# Altium PCB Graviton-EC2-Simplified.PcbDoc (part 2 of 9) (continued)
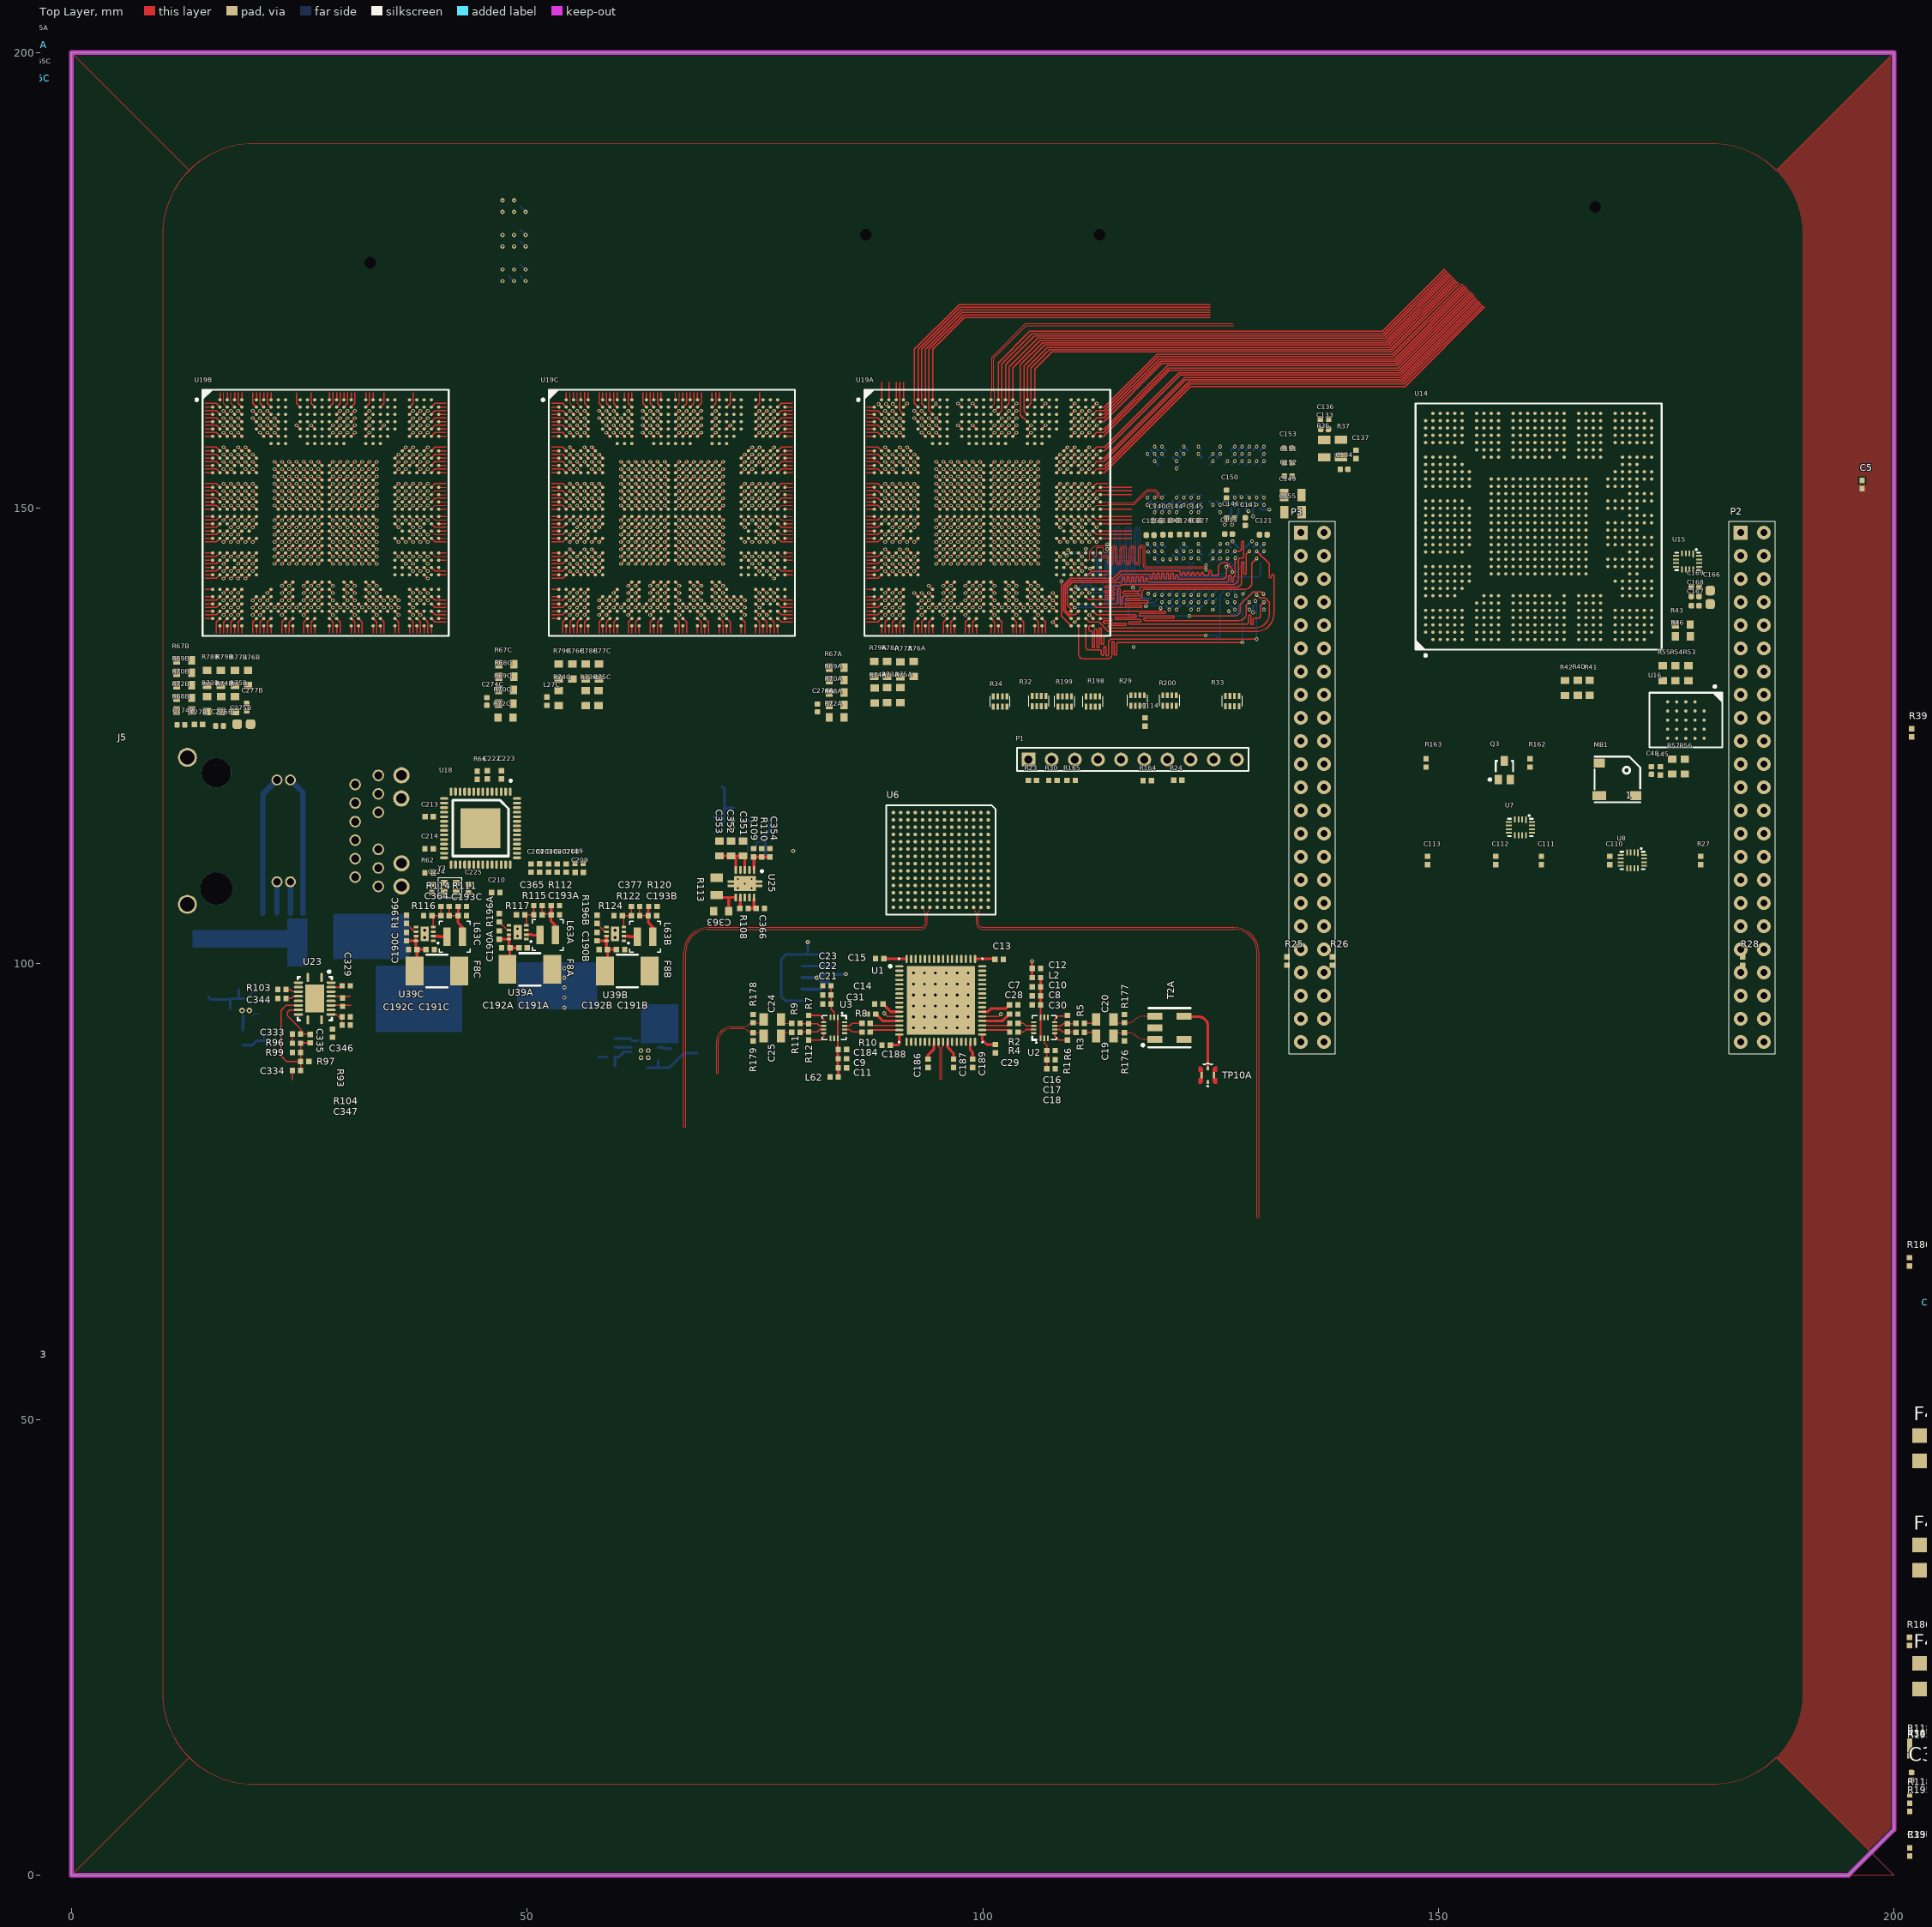
[diagram p0: Top Layer view]
## Components (designator, comment, footprint, x,y, rotation, side; value= is the part's Value field where it differs from the comment) (continued)
C261A "GRM155R71A104KA01J" CAPC1005X56N#1 93.675,146.964 r0 bottom (schematic designator C261)
C261B "GRM155R71A104KA01J" CAPC1005X56N#1 21.082,147.142 r0 bottom (schematic designator C261)
C261C "GRM155R71A104KA01J" CAPC1005X56N#1 58.979,146.228 r0 bottom (schematic designator C261)
C262A "GRM155R71A104KA01J" CAPC1005X56N#1 93.675,147.98 r0 bottom (schematic designator C262)
C262B "GRM155R71A104KA01J" CAPC1005X56N#1 21.082,148.107 r0 bottom (schematic designator C262)
C262C "GRM155R71A104KA01J" CAPC1005X56N#1 58.979,147.218 r0 bottom (schematic designator C262)
C263A "GRM155R71A104KA01J" CAPC1005X56N#1 93.675,148.996 r0 bottom (schematic designator C263)
C263B "GRM155R71A104KA01J" CAPC1005X56N#1 21.082,149.073 r0 bottom (schematic designator C263)
C263C "GRM155R71A104KA01J" CAPC1005X56N#1 58.979,148.209 r0 bottom (schematic designator C263)
C264A "GRM188R71A225KE15D" CAPC1608X90N -5.662,200.295 r90 top (schematic designator C264)
C264B "GRM188R71A225KE15D" CAPC1608X90N 13.183,139.09 r90 bottom (schematic designator C264)
C264C "GRM188R71A225KE15D" CAPC1608X90N -5.575,196.552 r90 top (schematic designator C264)
C265A "GRM155R71A104KA01J" CAPC1005X56N#1 -4.42,200.838 r90 top (schematic designator C265)
C265B "GRM155R71A104KA01J" CAPC1005X56N#1 11.963,139.725 r90 bottom (schematic designator C265)
C265C "GRM155R71A104KA01J" CAPC1005X56N#1 -4.115,197.18 r90 top (schematic designator C265)
C266A "GRM155R71A104KA01J" CAPC1005X56N#1 83.795,153.162 r0 bottom (schematic designator C266)
C266B "GRM155R71A104KA01J" CAPC1005X56N#1 20.98,166.726 r270 bottom (schematic designator C266)
C266C "GRM155R71A104KA01J" CAPC1005X56N#1 50.851,148.387 r180 bottom (schematic designator C266)
C267A "GRM188R71A225KE15D" CAPC1608X90N 85.09,154.534 r0 bottom (schematic designator C267)
C267B "GRM188R71A225KE15D" CAPC1608X90N 19.66,165.405 r270 bottom (schematic designator C267)
C267C "GRM188R71A225KE15D" CAPC1608X90N 56.261,149.454 r0 bottom (schematic designator C267)
C268A "GRM155R71A104KA01J" CAPC1005X56N#1 93.701,150.343 r0 bottom (schematic designator C268)
C268B "GRM155R71A104KA01J" CAPC1005X56N#1 21.082,153.492 r0 bottom (schematic designator C268)
C268C "GRM155R71A104KA01J" CAPC1005X56N#1 58.979,151.206 r0 bottom (schematic designator C268)
C269A "GRM155R71A104KA01J" CAPC1005X56N#1 93.701,151.359 r0 bottom (schematic designator C269)
C269B "GRM155R71A104KA01J" CAPC1005X56N#1 21.082,150.317 r0 bottom (schematic designator C269)
C269C "GRM155R71A104KA01J" CAPC1005X56N#1 58.979,152.197 r0 bottom (schematic designator C269)
C270A "GRM155R71A104KA01J" CAPC1005X56N#1 93.701,152.349 r0 bottom (schematic designator C270)
C270B "GRM155R71A104KA01J" CAPC1005X56N#1 21.082,151.232 r0 bottom (schematic designator C270)
C270C "GRM155R71A104KA01J" CAPC1005X56N#1 59.004,153.67 r0 bottom (schematic designator C270)
C271A "GRM155R71A104KA01J" CAPC1005X56N#1 93.701,153.365 r0 bottom (schematic designator C271)
C271B "GRM155R71A104KA01J" CAPC1005X56N#1 21.082,152.197 r0 bottom (schematic designator C271)
C271C "GRM155R71A104KA01J" CAPC1005X56N#1 58.979,154.635 r0 bottom (schematic designator C271)
C272A "GRM188R71A225KE15D" CAPC1608X90N 107.29,157.353 r270 bottom (schematic designator C272)
C272B "GRM188R71A225KE15D" CAPC1608X90N 34.569,157.429 r270 bottom (schematic designator C272)
C272C "GRM188R71A225KE15D" CAPC1608X90N 73.431,157.734 r270 bottom (schematic designator C272)
C273A "GRM155R71A104KA01J" CAPC1005X56N#1 108.483,156.921 r270 bottom (schematic designator C273)
C273B "GRM155R71A104KA01J" CAPC1005X56N#1 35.794,156.948 r270 bottom (schematic designator C273)
C273C "GRM155R71A104KA01J" CAPC1005X56N#1 74.651,157.861 r270 bottom (schematic designator C273)
C274A "GRM155R71A104KA01J" CAPC1005X56N#1 81.864,128.092 r270 top (schematic designator C274)
C274B "GRM155R71A104KA01J" CAPC1005X56N#1 12.014,126.238 r0 top (schematic designator C274)
C274C "GRM155R71A104KA01J" CAPC1005X56N#1 45.593,128.803 r270 top (schematic designator C274)
C275A "GRM188R71A225KE15D" CAPC1608X90N 93.904,142.099 r90 bottom (schematic designator C275)
C275B "GRM188R71A225KE15D" CAPC1608X90N 18.923,126.314 r180 top (schematic designator C275)
C275C "GRM188R71A225KE15D" CAPC1608X90N 62.332,142.291 r90 bottom (schematic designator C275)
C276A "GRM155R71A104KA01J" CAPC1005X56N#1 93.929,144.475 r270 bottom (schematic designator C276)
C276B "GRM155R71A104KA01J" CAPC1005X56N#1 16.256,126.111 r0 top (schematic designator C276)
C276C "GRM155R71A104KA01J" CAPC1005X56N#1 61.062,142.875 r90 bottom (schematic designator C276)
C277A "GRM155R71A104KA01J" CAPC1005X56N#1 96.037,142.506 r90 bottom (schematic designator C277)
C277B "GRM155R71A104KA01J" CAPC1005X56N#1 19.228,128.168 r270 top (schematic designator C277)
C277C "GRM155R71A104KA01J" CAPC1005X56N#1 60.071,142.875 r90 bottom (schematic designator C277)
C278A "CAP 0402" 0402 95.733,132.156 r270 bottom (schematic designator C278)
C278B "CAP 0402" 0402 82.042,124.409 r90 bottom (schematic designator C278)
C278C "CAP 0402" 0402 86.589,124.409 r90 bottom (schematic designator C278)
C279A "CAP 0402" 0402 97.714,132.156 r90 bottom (schematic designator C279)
C279B "CAP 0402" 0402 26.162,145.974 r270 bottom (schematic designator C279)
C279C "CAP 0402" 0402 61.493,148.869 r0 bottom (schematic designator C279)
C280A "GRM155R71A104KA01J" CAPC1005X56N#1 105.512,152.629 r0 bottom (schematic designator C280)
C280B "GRM155R71A104KA01J" CAPC1005X56N#1 22.809,146.253 r180 bottom (schematic designator C280)
C280C "GRM155R71A104KA01J" CAPC1005X56N#1 69.113,154.61 r90 bottom (schematic designator C280)
C281A "GRM155R71A104KA01J" CAPC1005X56N#1 103.708,154.584 r90 bottom (schematic designator C281)
C281B "GRM155R71A104KA01J" CAPC1005X56N#1 31.09,154.508 r90 bottom (schematic designator C281)
C281C "GRM155R71A104KA01J" CAPC1005X56N#1 71.095,152.679 r0 bottom (schematic designator C281)
C282A "GRM155R71A104KA01J" CAPC1005X56N#1 95.428,146.279 r180 bottom (schematic designator C282)
C282B "GRM155R71A104KA01J" CAPC1005X56N#1 22.784,152.705 r180 bottom (schematic designator C282)
C282C "GRM155R71A104KA01J" CAPC1005X56N#1 60.731,146.279 r180 bottom (schematic designator C282)
C283A "GRM155R71A104KA01J" CAPC1005X56N#1 95.479,152.679 r180 bottom (schematic designator C283)
C283B "GRM155R71A104KA01J" CAPC1005X56N#1 32.969,152.705 r0 bottom (schematic designator C283)
C283C "GRM155R71A104KA01J" CAPC1005X56N#1 60.706,152.705 r180 bottom (schematic designator C283)
C284A "GRM188R71A225KE15D" CAPC1608X90N 99.822,149.581 r0 bottom (schematic designator C284)
C284B "GRM188R71A225KE15D" CAPC1608X90N 29.337,142.9 r0 bottom (schematic designator C284)
C284C "GRM188R71A225KE15D" CAPC1608X90N 64.567,143.053 r180 bottom (schematic designator C284)
C285A "GRM188R71A225KE15D" CAPC1608X90N 99.797,148.158 r0 bottom (schematic designator C285)
C285B "GRM188R71A225KE15D" CAPC1608X90N 26.187,142.926 r180 bottom (schematic designator C285)
C285C "GRM188R71A225KE15D" CAPC1608X90N 67.335,165.278 r270 bottom (schematic designator C285)
C286A "GRM188R71A225KE15D" CAPC1608X90N 101.956,148.895 r270 bottom (schematic designator C286)
C286B "GRM188R71A225KE15D" CAPC1608X90N 26.924,165.532 r270 bottom (schematic designator C286)
C286C "GRM188R71A225KE15D" CAPC1608X90N 67.437,143.053 r0 bottom (schematic designator C286)
C287A "GRM155R71A104KA01J" CAPC1005X56N#1 103.581,148.996 r0 bottom (schematic designator C287)
C287B "GRM155R71A104KA01J" CAPC1005X56N#1 27.203,153.848 r270 bottom (schematic designator C287)
C287C "GRM155R71A104KA01J" CAPC1005X56N#1 66.3,145.1 r90 bottom (schematic designator C287)
C288A "GRM155R71A104KA01J" CAPC1005X56N#1 100,146.431 r270 bottom (schematic designator C288)
C288B "GRM155R71A104KA01J" CAPC1005X56N#1 28.55,153.873 r270 bottom (schematic designator C288)
C288C "GRM155R71A104KA01J" CAPC1005X56N#1 65.176,153.772 r270 bottom (schematic designator C288)
C289A "GRM155R71A104KA01J" CAPC1005X56N#1 101.016,146.431 r270 bottom (schematic designator C289)
C289B "GRM155R71A104KA01J" CAPC1005X56N#1 23.724,150.19 r0 bottom (schematic designator C289)
C289C "GRM155R71A104KA01J" CAPC1005X56N#1 66.573,153.772 r270 bottom (schematic designator C289)
C290A "GRM155R71A104KA01J" CAPC1005X56N#1 103.581,150.012 r0 bottom (schematic designator C290)
C290B "GRM155R71A104KA01J" CAPC1005X56N#1 23.724,148.869 r0 bottom (schematic designator C290)
C290C "GRM155R71A104KA01J" CAPC1005X56N#1 63.906,145.186 r90 bottom (schematic designator C290)
C291A "GRM155R71A104KA01J" CAPC1005X56N#1 97.434,150.012 r180 bottom (schematic designator C291)
C291B "GRM155R71A104KA01J" CAPC1005X56N#1 31.394,150.139 r0 bottom (schematic designator C291)
C291C "GRM155R71A104KA01J" CAPC1005X56N#1 70.079,148.742 r180 bottom (schematic designator C291)
C292A "GRM155R71A104KA01J" CAPC1005X56N#1 97.434,148.996 r180 bottom (schematic designator C292)
C292B "GRM155R71A104KA01J" CAPC1005X56N#1 31.369,148.692 r0 bottom (schematic designator C292)
C292C "GRM155R71A104KA01J" CAPC1005X56N#1 70.079,149.987 r180 bottom (schematic designator C292)
C293A "GRM155R71A104KA01J" CAPC1005X56N#1 100.99,152.552 r90 bottom (schematic designator C293)
C293B "GRM155R71A104KA01J" CAPC1005X56N#1 28.702,145.999 r270 bottom (schematic designator C293)
C293C "GRM155R71A104KA01J" CAPC1005X56N#1 61.595,150.114 r0 bottom (schematic designator C293)
C294A "GRM155R71A104KA01J" CAPC1005X56N#1 100,152.552 r90 bottom (schematic designator C294)
C294B "GRM155R71A104KA01J" CAPC1005X56N#1 27.153,145.999 r270 bottom (schematic designator C294)
C294C "GRM155R71A104KA01J" CAPC1005X56N#1 65.126,145.186 r90 bottom (schematic designator C294)
C321 "CAP" 1210 21,101.4 r90 bottom
C322 "CAP" 1210 17.9,101.4 r90 bottom
C323 "CAP" 1210 14.8,101.4 r90 bottom
C328 "CAP 33pF 0402" 0402 74.7,112.4 r0 bottom
C329 "100nF" 0402 30.155,97.6 r180 top
C330 "100nF" 0402 201.719,2.557 r90 top
C331 "CAP" 1210 55.83,100.3 r270 bottom
C332 "CAP" 1210 55.83,94.9 r90 bottom
C333 "12nF" 0402 24.7,92.3 r0 top
C334 "2.7nF" 0402 24.7,88.3 r180 top
C335 "1.3nF" 0402 26.2,91.8 r90 top
C336 "CAP 10UF 0402" 0402 75.8,91.4 r180 bottom
C337 "CAP 10UF 0402" 0402 75.8,89.6 r180 bottom
C338 "CAP 10UF 0402" 0402 75.8,90.5 r180 bottom
C339 "CAP 0402" 0402 65.8,91.2 r90 bottom
C340 "1.0nF" 0402 27.9,99.2 r0 bottom
C341 "CAP 10UF 0402" 0402 64.6,106.1 r0 bottom
C342 "CAP 10UF 0402" 0402 66.5,107.1 r180 bottom
C343 "CAP 10UF 0402" 0402 66.5,106.1 r180 bottom
C344 "2.2nF" 0402 23.1,96.2 r180 top
C345 "2.2nF" 0402 450.1,182.2 r90 top
C346 "4.7uF" 0402 28.655,92.4 r270 top
C347 "1nF" 0402 30.155,93.3 r0 top
C348 "CAP 0402" 0402 59.2,91.8 r180 bottom
C349 "CAP 0402" 0402 57.8,89.3 r270 bottom
C350 "CAP 0402" 0402 59.2,88.8 r180 bottom
C351 "CAP 0603" 0603 73.7,112.673 r270 top
C352 "CAP 0603" 0603 72.4,112.673 r270 top
C353 "CAP 0603" 0603 71.1,112.673 r270 top
C354 "1nF, 50V" 0402 76.65,112.2 r90 top
C362 "GRM155R71A104KA01J" CAPC1005X56N#2 209.92,10.858 r90 top
C363 "CAP 0603" 0603 71.3,105.8 r0 top
C364 "CAP 33pF 0402" 0402 41,106.3 r0 top
C365 "CAP 33pF 0402" 0402 51.2,106.4 r0 top
C366 "CAP 0402" 0402 75.6,106.1 r0 top
C367 "CAP 0603" 0603 584.02,182.258 r90 top
C368 "CAP 0603" 0603 591.52,182.258 r90 top
C369 "GRM155R71A104KA01J" CAPC1005X56N#2 216.92,10.858 r90 top
C370 "GRM155R71A104KA01J" CAPC1005X56N#2 201.92,10.858 r90 top
C377 "CAP 0402" 0402 61.9,106.3 r180 top
C378 "CAP 33pF 0402" 0402 548.1,182 r90 top
C379A "1uF" 0402 303.787,120.632 r0 top (schematic designator C379)
C379B "1uF" 0402 238.987,103.987 r0 top (schematic designator C379)
C380A "100nF" 0402 303.787,120.632 r0 top (schematic designator C380)
C380B "100nF" 0402 238.987,103.987 r0 top (schematic designator C380)
C382A "1uF" 0402 -68.875,-54.35 r180 top (schematic designator C382)
C382B "1uF" 0402 -90.075,-54.35 r180 top (schematic designator C382)
C382C "1uF" 0402 268.975,99.85 r0 top (schematic designator C382)
C382D "1uF" 0402 290.025,99.85 r0 top (schematic designator C382)
C383A "1uF" 0402 -74.975,-55.55 r180 top (schematic designator C383)
C383B "1uF" 0402 -96.175,-55.55 r180 top (schematic designator C383)
C383C "1uF" 0402 275.075,101.05 r0 top (schematic designator C383)
C383D "1uF" 0402 296.125,101.05 r0 top (schematic designator C383)
C384A "1uF" 0402 -70.175,-62.15 r180 top (schematic designator C384)
C384B "1uF" 0402 -91.375,-62.15 r180 top (schematic designator C384)
C384C "1uF" 0402 270.275,107.65 r0 top (schematic designator C384)
C384D "1uF" 0402 291.325,107.65 r0 top (schematic designator C384)
C385A "100nF" 0402 -74.075,-48.45 r180 top (schematic designator C385)
C385B "100nF" 0402 -95.275,-48.45 r180 top (schematic designator C385)
C385C "100nF" 0402 274.175,93.95 r0 top (schematic designator C385)
C385D "100nF" 0402 295.225,93.95 r0 top (schematic designator C385)
C386A "100nF" 0402 -61.195,-48.9 r180 top (schematic designator C386)
C386B "100nF" 0402 -84.875,-61.05 r180 top (schematic designator C386)
C386C "100nF" 0402 263.775,106.55 r0 top (schematic designator C386)
C386D "100nF" 0402 284.825,106.55 r0 top (schematic designator C386)
C387A "100nF" 0402 -83.775,-50.35 r180 top (schematic designator C387)
C387B "100nF" 0402 -104.975,-50.35 r180 top (schematic designator C387)
C387C "100nF" 0402 283.875,95.85 r0 top (schematic designator C387)
C387D "100nF" 0402 304.925,95.85 r0 top (schematic designator C387)
C393D "CAP 0603" 0603 -9.075,30.15 r0 top (schematic designator C393)
C434A "CAP 0402" 0402 369.9,112.44 r0 top (schematic designator C434)
C434B "CAP 0402" 0402 304.2,96.2 r0 top (schematic designator C434)
C435A "CAP 0402" 0402 360.3,96.24 r0 top (schematic designator C435)
C436A "CAP 0402" 0402 350.7,111.84 r0 top (schematic designator C436)
C437A "CAP 0402" 0402 367.2,102.94 r0 top (schematic designator C437)
C438A "CAP 0402" 0402 370.9,98.04 r0 top (schematic designator C438)
C438B "CAP 0402" 0402 305.2,81.8 r0 top (schematic designator C438)
C439A "CAP 0402" 0402 348.1,105.44 r0 top (schematic designator C439)
C440A "CAP 0402" 0402 360.4,99.24 r0 top (schematic designator C440)
C441A "CAP 0402" 0402 375.6,95.94 r0 top (schematic designator C441)
C442A "CAP 0402" 0402 377.3,100.14 r0 top (schematic designator C442)
C442B "CAP 0402" 0402 311.6,83.9 r0 top (schematic designator C442)
F1 "1.25A" 451_453 27.2,102.1 r0 bottom
F2 "0ZCJ0020FF2E" 1206 224.92,9.858 r90 top
F3 "1.25A" 451_453 71.1,90.2 r180 bottom
F4A "0ZCJ0020FF2E" 1206 202.92,21.858 r90 top (schematic designator F4)
F4B "0ZCJ0020FF2E" 1206 202.92,34.858 r90 top (schematic designator F4)
F4C "0ZCJ0020FF2E" 1206 202.92,46.858 r90 top (schematic designator F4)
F8A "1.25A" 451_453 50.3,99.4 r180 top (schematic designator F8)
F8B "1.25A" 451_453 61,99.225 r180 top (schematic designator F8)
F8C "1.25A" 451_453 40.1,99.225 r180 top (schematic designator F8)
F8D "1.25A" 451_453 15.05,93.9 r270 bottom (schematic designator F8)
F8E "1.25A" 451_453 73.836,119.466 r180 bottom (schematic designator F8)
FB1 "600R/100MHz" 0805 244.42,125.358 r0 top
FB11B "600R/100MHz" 0805 47,-30 r90 top (schematic designator FB11)
FB12A "600R/100MHz" 0805 -59.9,-40.7 r180 top (schematic designator FB12)
FB12B "600R/100MHz" 0805 -85.175,-52.65 r180 top (schematic designator FB12)
FB12C "600R/100MHz" 0805 264.075,98.15 r0 top (schematic designator FB12)
FB12D "600R/100MHz" 0805 285.125,98.15 r0 top (schematic designator FB12)
J1 "SEAF-40-06.5-S-10-2-A-K-TR" SEAF-40-06.5-S-10-2-A-K-TR 140,180 r0 bottom locked
J2 "SEAF-40-06.5-S-10-2-A-K-TR" SEAF-40-06.5-S-10-2-A-K-TR 60,180 r180 bottom locked
J5 "0826-1X1T-GH-F" 0826 15.9,114.6 r90 top
J6 "GRPB072VWVN" GRPB072VWVN 230.92,7.858 r0 top
J7A "GRPB052VWVN" GRPB052VWVN 209.92,20.858 r0 top (schematic designator J7)
J7B "GRPB052VWVN" GRPB052VWVN 209.92,32.858 r0 top (schematic designator J7)
J7C "GRPB052VWVN" GRPB052VWVN 209.92,45.858 r0 top (schematic designator J7)
L1 "IND 0402" 0402 213.3,160.205 r90 top
L2 "IND 0402" 0402 105.9,98.5 r0 top
L3 "IND 0402" 0402 83.7,99.3 r90 bottom
L13 "IND 0402" 0402 -23.142,95.58 r0 top
L14 "IND 0402" 0402 -25.142,101.58 r0 top
L15 "IND 0402" 0402 -26.545,102 r0 top
L16 "IND 0402" 0402 -28.142,113.58 r0 top
L17 "IND 0402" 0402 159.055,163.474 r90 bottom
L18 "IND 0402" 0402 213.12,87.813 r90 top
L19 "IND 0402" 0402 55.702,111.023 r180 top
L20A "IND 0402" 0402 97.841,164.744 r90 bottom (schematic designator L20)
L20B "IND 0402" 0402 25.146,164.897 r90 bottom (schematic designator L20)
L20C "IND 0402" 0402 64.846,164.617 r90 bottom (schematic designator L20)
L21A "IND 0402" 0402 104.165,164.592 r90 bottom (schematic designator L21)
L21B "IND 0402" 0402 29.058,165.024 r90 bottom (schematic designator L21)
L21C "IND 0402" 0402 68.707,164.77 r90 bottom (schematic designator L21)
L22A "IND 0402" 0402 107.112,164.77 r90 bottom (schematic designator L22)
L22B "IND 0402" 0402 42.951,151.689 r0 bottom (schematic designator L22)
L22C "IND 0402" 0402 80.62,150.952 r0 bottom (schematic designator L22)
L23A "IND 0402" 0402 105.689,134.087 r270 bottom (schematic designator L23)
L23B "IND 0402" 0402 43.104,146.761 r0 bottom (schematic designator L23)
L23C "IND 0402" 0402 80.823,146.634 r0 bottom (schematic designator L23)
L24A "IND 0402" 0402 107.975,134.061 r270 bottom (schematic designator L24)
L24B "IND 0402" 0402 43.028,142.621 r0 bottom (schematic designator L24)
L24C "IND 0402" 0402 80.79,142.718 r0 bottom (schematic designator L24)
L25A "IND 0402" 0402 85.725,145.313 r180 bottom (schematic designator L25)
L25B "IND 0402" 0402 12.827,144.424 r0 bottom (schematic designator L25)
L25C "IND 0402" 0402 50.775,143.866 r180 bottom (schematic designator L25)
L26A "IND 0402" 0402 85.598,153.162 r180 bottom (schematic designator L26)
L26B "IND 0402" 0402 20.98,164.948 r90 bottom (schematic designator L26)
L26C "IND 0402" 0402 50.902,149.53 r180 bottom (schematic designator L26)
L27A "IND 0402" 0402 95.021,142.531 r270 bottom (schematic designator L27)
L27B "IND 0402" 0402 13.945,126.263 r180 top (schematic designator L27)
L27C "IND 0402" 0402 52.172,128.829 r90 top (schematic designator L27)
L28A "IND 0402" 0402 96.734,132.156 r90 bottom (schematic designator L28)
L28B "IND 0402" 0402 87.833,124.435 r90 bottom (schematic designator L28)
L28C "IND 0402" 0402 83.131,124.33 r90 bottom (schematic designator L28)
L39 "" IND-1350 45.9,97.7 r0 bottom
L40 "Inductor" SRR1260 65.3,99 r90 bottom
L45 "IND 0402" 0402 174.377,121.18 r270 top
L58A "IND 0402" 0402 351.5,97.44 r0 top (schematic designator L58)
L59A "IND 0402" 0402 352.9,103.34 r0 top (schematic designator L59)
L62 "IND 0402" 0402 83.7,87.6 r0 top
L63A "ASPI-0310FS-1R0N-T2" ASPI-0310FS 52.264,103.166 r0 top (schematic designator L63)
L63B "ASPI-0310FS-1R0N-T2" ASPI-0310FS 62.964,102.991 r0 top (schematic designator L63)
L63C "ASPI-0310FS-1R0N-T2" ASPI-0310FS 42.064,102.991 r0 top (schematic designator L63)
L63D "ASPI-0310FS-1R0N-T2" ASPI-0310FS 18.816,91.936 r90 bottom (schematic designator L63)
L63E "ASPI-0310FS-1R0N-T2" ASPI-0310FS 75.8,115.7 r0 bottom (schematic designator L63)
MB1 "CSS-0578" CSS-0578 169.649,120.252 r0 top
P1 "Header 10" HDR1X10 105.029,122.428 r0 top
P2 "FEMALE HEADER 2x23" HEADER23X2 184.435,119.375 r270 top locked
P3 "FEMALE HEADER 2x23" HEADER23X2 136.175,119.375 r270 top
Q1 "MOSFET" TDSON-8 34.5,101.9 r180 bottom
Q2 "MOSFET" TDSON-8 34.5,94.1 r180 bottom
Q3 "2N3904" SOT323 157.249,121.252 r0 top
R1 "RES 0402" 0402 109.3,92.1 r90 top
R2 "RES 0402" 0402 103.425,93.475 r0 top
R3 "RES 0402" 0402 110.7,92.5 r0 top
R4 "RES 0402" 0402 103.425,92.525 r0 top
R5 "RES 0402" 0402 110.7,93.5 r0 top
R6 "RES 0402" 0402 109.3,93.9 r90 top
R7 "RES 0402" 0402 80.9,93.9 r270 top
R8 "RES 0402" 0402 87.2,93.475 r180 top
R9 "RES 0402" 0402 79.5,93.5 r180 top
R10 "RES 0402" 0402 87.2,92.525 r180 top
R11 "RES 0402" 0402 79.5,92.5 r180 top
R12 "RES 0402" 0402 80.9,92.1 r270 top
R15 "RES 0402" 0402 -28.142,108.58 r0 top
R16 "RES 0402" 0402 -28.142,103.58 r0 top
R17 "RES 0402" 0402 -28.142,98.58 r0 top
R18 "RES 0402" 0402 -27.545,105.5 r0 top
R19 "RES 0402" 0402 -28.142,96.08 r0 top
R20 "RES 0402" 0402 -29.142,107.08 r0 top
R21 "RES 0402" 0402 -29.142,99.58 r0 top
R22 "RES 0402" 0402 -29.142,94.58 r0 top
R23 "RES 0402" 0402 105.461,120.142 r180 top
R24 "RES 0402" 0402 121.412,120.167 r180 top
R25 "RES 0402" 0402 133.38,100.322 r270 top
R26 "RES 0402" 0402 138.38,100.322 r270 top
R27 "RES 0402" 0402 178.8,111.355 r270 top
R28 "RES 0402" 0402 183.38,100.322 r270 top
R29 "RESPAK x4 0804" 0804-PAK-8 117,128.9 r270 top
R30 "RES 0402" 0402 107.696,120.142 r180 top
R31 "1.5K, 1%" 0402 213.419,13.657 r90 top
R32 "RESPAK x4 0804" 0804-PAK-8 106.181,128.837 r270 top
R33 "RESPAK x4 0804" 0804-PAK-8 127.381,128.837 r270 top
R34 "RESPAK x4 0804" 0804-PAK-8 101.9,128.8 r270 top
R35 "240, 1%" 0402 207.619,13.657 r90 top
R36 "RES 0805" 0805 137.465,156.54 r270 top
R37 "RES 0805" 0805 139.323,156.571 r90 top
R38 "240, 1%" 0402 201.719,13.657 r90 top
R39 "RES 0402" 0402 201.92,125.358 r90 top
R40 "RES 0603 4.7k 1%" 0603 165.303,130.302 r270 top
R41 "RES 0603 4.7k 1%" 0603 166.599,130.302 r270 top
R42 "RES 0603 4.7k 1%" 0603 163.906,130.277 r270 top
R43 "RES 0603 49.9 1%" 0603 176.809,137.236 r0 top
R44 "RES 0603 4.7k 1%" 0603 165.583,130.302 r270 bottom
R45 "RES 0603 4.7k 1%" 0603 167.03,130.302 r270 bottom
R46 "RES 0603 4.7k 1%" 0603 176.835,135.941 r0 top
R47 "RES 0603 4.7k 1%" 0603 171.78,130.353 r90 bottom
R48 "RES 0603 4.7k 1%" 0603 169.037,130.353 r90 bottom
R49 "RES 0603 0" 0603 170.434,130.353 r90 bottom
R50 "RES 0603 4.7k 1%" 0603 170.434,127.457 r90 bottom
R51 "RES 0603 0" 0603 171.78,127.457 r90 bottom
R52 "RES 0603 0" 0603 169.037,127.457 r90 bottom
R53 "RES 0603 1k 1%" 0603 177.425,131.899 r90 top
R54 "RES 0603 4.7k 1%" 0603 176.002,131.899 r90 top
R55 "RES 0603 4.7k 1%" 0603 174.631,131.899 r90 top
R56 "RES 0603 4.7k 1%" 0603 177.044,121.662 r270 top
R57 "RES 0603 4.7k 1%" 0603 175.647,121.662 r270 top
R60 "RES 0402" 0402 43.967,108.28 r90 bottom
R61 "RES 0402" 0402 44.958,108.28 r90 bottom
R62 "RES 0402" 0402 39.243,110.007 r0 top
R63 "RES 0402" 0402 35.687,106.604 r180 bottom
R64 "RES 0402" 0402 36.576,116.357 r0 bottom
R65 "RES 0402" 0402 36.525,122.555 r0 bottom
R66 "RES 0402" 0402 44.526,120.701 r90 top
R67A "RES 0603 4.7k 1%" 0603 83.972,132.512 r180 top (schematic designator R67)
R67B "RES 0603 4.7k 1%" 0603 12.37,133.325 r180 top (schematic designator R67)
R67C "RES 0603 4.7k 1%" 0603 47.727,132.893 r180 top (schematic designator R67)
R68A "RES 0603 4.7k 1%" 0603 83.972,128.416 r180 top (schematic designator R68)
R68B "RES 0603 4.7k 1%" 0603 12.37,127.813 r180 top (schematic designator R68)
R68C "RES 0603 4.7k 1%" 0603 47.727,131.521 r180 top (schematic designator R68)
R69A "RES 0603 4.7k 1%" 0603 83.972,131.147 r180 top (schematic designator R69)
R69B "RES 0603 4.7k 1%" 0603 12.37,131.947 r180 top (schematic designator R69)
R69C "RES 0603 4.7k 1%" 0603 47.701,130.073 r180 top (schematic designator R69)
R70A "RES 0603 4.7k 1%" 0603 83.972,129.781 r180 top (schematic designator R70)
R70B "RES 0603 4.7k 1%" 0603 12.37,130.569 r180 top (schematic designator R70)
R70C "RES 0603 4.7k 1%" 0603 47.66,128.567 r180 top (schematic designator R70)
R71A "RES 0603 4.7k 1%" 0603 90.424,141.986 r180 bottom (schematic designator R71)
R71B "RES 0603 4.7k 1%" 0603 92.202,138.684 r270 bottom (schematic designator R71)
R71C "RES 0603 4.7k 1%" 0603 56.058,141.757 r180 bottom (schematic designator R71)
R72A "RES 0603 4.7k 1%" 0603 83.972,127.051 r0 top (schematic designator R72)
R72B "RES 0603 4.7k 1%" 0603 12.37,129.191 r0 top (schematic designator R72)
R72C "RES 0603 4.7k 1%" 0603 47.625,127.025 r0 top (schematic designator R72)
R73A "RES 0603 4.7k 1%" 0603 89.511,129.499 r270 top (schematic designator R73)
R73B "RES 0603 4.7k 1%" 0603 14.884,128.524 r270 top (schematic designator R73)
R73C "RES 0603 4.7k 1%" 0603 56.439,129.184 r270 top (schematic designator R73)
R74A "RES 0603 4.7k 1%" 0603 88.138,129.464 r270 top (schematic designator R74)
R74B "RES 0603 4.7k 1%" 0603 16.434,128.524 r270 top (schematic designator R74)
R74C "RES 0603 4.7k 1%" 0603 53.467,129.184 r270 top (schematic designator R74)
R75A "RES 0603 0" 0603 90.957,129.489 r270 top (schematic designator R75)
R75B "RES 0603 0" 0603 17.958,128.524 r270 top (schematic designator R75)
R75C "RES 0603 0" 0603 57.861,129.184 r270 top (schematic designator R75)
R76A "RES 0603 4.7k 1%" 0603 92.431,132.359 r270 top (schematic designator R76)
R76B "RES 0603 4.7k 1%" 0603 19.38,131.369 r90 top (schematic designator R76)
R76C "RES 0603 4.7k 1%" 0603 54.966,132.08 r90 top (schematic designator R76)
R77A "RES 0603 4.7k 1%" 0603 90.957,132.334 r270 top (schematic designator R77)
R77B "RES 0603 4.7k 1%" 0603 17.958,131.394 r270 top (schematic designator R77)
R77C "RES 0603 4.7k 1%" 0603 57.887,132.08 r270 top (schematic designator R77)
R78A "RES 0603 0" 0603 89.51,132.385 r270 top (schematic designator R78)
R78B "RES 0603 0" 0603 14.884,131.394 r270 top (schematic designator R78)
R78C "RES 0603 0" 0603 56.439,132.08 r270 top (schematic designator R78)
R79A "RES 0603 0" 0603 88.113,132.385 r270 top (schematic designator R79)
R79B "RES 0603 0" 0603 16.408,131.394 r270 top (schematic designator R79)
R79C "RES 0603 0" 0603 53.467,132.08 r270 top (schematic designator R79)
R87 "RES 0805" 0805 77.2,112 r0 bottom
R88 "RES 360K 0402" 0402 74.7,113.4 r0 bottom
R89 "RES 0402" 0402 477.7,184.3 r90 top
R90 "RES 180k 0402" 0402 72.8,113.4 r0 bottom
R91 "RES 0402" 0402 569.3,180.9 r90 top
R92A "RES 0402" 0402 210.119,8.357 r90 top (schematic designator R92)
R92B "RES 0402" 0402 210.119,14.257 r90 top (schematic designator R92)
R93 "RES 0402" 0402 29.755,95.8 r270 top
R94 "RES 0402" 0402 521.8,180.9 r90 top
R96 "RES 0402" 0402 24.7,91.3 r0 top
R97 "RES 0402" 0402 25.6,89.3 r180 top
R98 "RES 0402" 0402 484.3,180.9 r90 top
R99 "RES 0402" 0402 24.7,90.3 r180 top
R100 "RES 0402" 0402 507.6,182.2 r90 top
R101 "RES 0402" 0402 500.1,182.2 r90 top
R102 "RES 0402" 0402 84.404,124.358 r270 bottom
R103 "RES 0402" 0402 23.1,97.2 r180 top
R104 "RES 0402" 0402 30.155,94.2 r180 top
R105 "RES 0402" 0402 59.2,89.8 r180 bottom
R106 "RES 0402" 0402 85.42,124.358 r90 bottom
R107 "RES 0402" 0402 59.2,90.8 r180 bottom
R108 "RES 0402" 0402 73.8,106.1 r0 top
R109 "10k, 1%" 0402 74.85,112.2 r90 top
R110 "10k, 1%" 0402 75.75,112.2 r270 top
R111 "RES 1206" 0402 42.9,106.3 r0 top
R112 "RES 1206" 0402 53.1,106.4 r0 top
R113 "RES 0805" 0805 70.8,108.5 r90 top
R114 "RES 360K 0402" 0402 41,105.3 r0 top
R115 "RES 360K 0402" 0402 51.2,105.4 r0 top
R116 "RES 180k 0402" 0402 39.1,105.3 r0 top
R117 "RES 180k 0402" 0402 49.3,105.4 r0 top
R118A "RES 0402" 0402 201.719,8.357 r90 top (schematic designator R118)
R118B "RES 0402" 0402 201.719,14.257 r90 top (schematic designator R118)
R119 "RES 0402" 0402 223.119,2.557 r90 top
R120 "RES 1206" 0402 63.8,106.3 r0 top
R121 "RES 1206" 0402 464.9,182.9 r90 top
R122 "RES 0402" 0402 61.9,105.3 r180 top
R123 "RES 360K 0402" 0402 563.1,182 r90 top
R124 "RES 0402" 0402 60,105.3 r180 top
R125 "RES 0402" 0402 212.5,-2.6 r90 top
R126 "RES 180k 0402" 0402 533.1,182 r90 top
R127 "RES 0402" 0402 208.819,2.557 r90 top
R143 "RES 0402" 0402 -4.819,55.718 r180 top
R148A "RES 0402" 0402 355.4,109.24 r0 top (schematic designator R148)
R148B "RES 0402" 0402 289.7,93 r0 top (schematic designator R148)
R149A "RES 0402" 0402 360.5,113.44 r0 top (schematic designator R149)
R149B "RES 0402" 0402 294.8,97.2 r0 top (schematic designator R149)
R150A "RES 0402" 0402 367.5,114.34 r0 top (schematic designator R150)
R150B "RES 0402" 0402 301.8,98.1 r0 top (schematic designator R150)
R158 "RES 1206" 0402 24,105.1 r90 bottom
R159 "RES 1206" 0402 25.4,105.1 r90 bottom
R160 "RES 1206" 0402 22.5,105.1 r90 bottom
R161 "RES 1206" 0402 21,105.1 r90 bottom
R162 "RES 0402" 0402 160.049,122.052 r90 top
R163 "RES 0402" 0402 148.649,122.052 r90 top
R164 "RES 0402" 0402 118.059,120.117 r0 top
R165 "RES 0402" 0402 109.703,120.142 r180 top
R176 "RES 0402" 0402 115.55,92 r270 top
R177 "RES 0402" 0402 115.55,94 r270 top
R178 "RES 0402" 0402 74.8,94 r90 top
R179 "RES 0402" 0402 74.8,92 r90 top
R180A "RES 0402" 0402 259.386,25.662 r90 top (schematic designator R180)
R180B "RES 0402" 0402 262.411,67.314 r90 top (schematic designator R180)
R181A "RES 0402" 0402 249.96,25.662 r90 top (schematic designator R181)
R181B "RES 0402" 0402 252.51,67.314 r90 top (schematic designator R181)
R182A "RES 0402" 0402 240.31,25.662 r90 top (schematic designator R182)
R182B "RES 0402" 0402 242.335,67.314 r90 top (schematic designator R182)
R183A "RES 0402" 0402 230.659,25.662 r90 top (schematic designator R183)
R183B "RES 0402" 0402 232.184,67.314 r90 top (schematic designator R183)
R184A "RES 0402" 0402 221.009,25.662 r90 top (schematic designator R184)